# KiCad board emon36.kicad_pcb (continued)
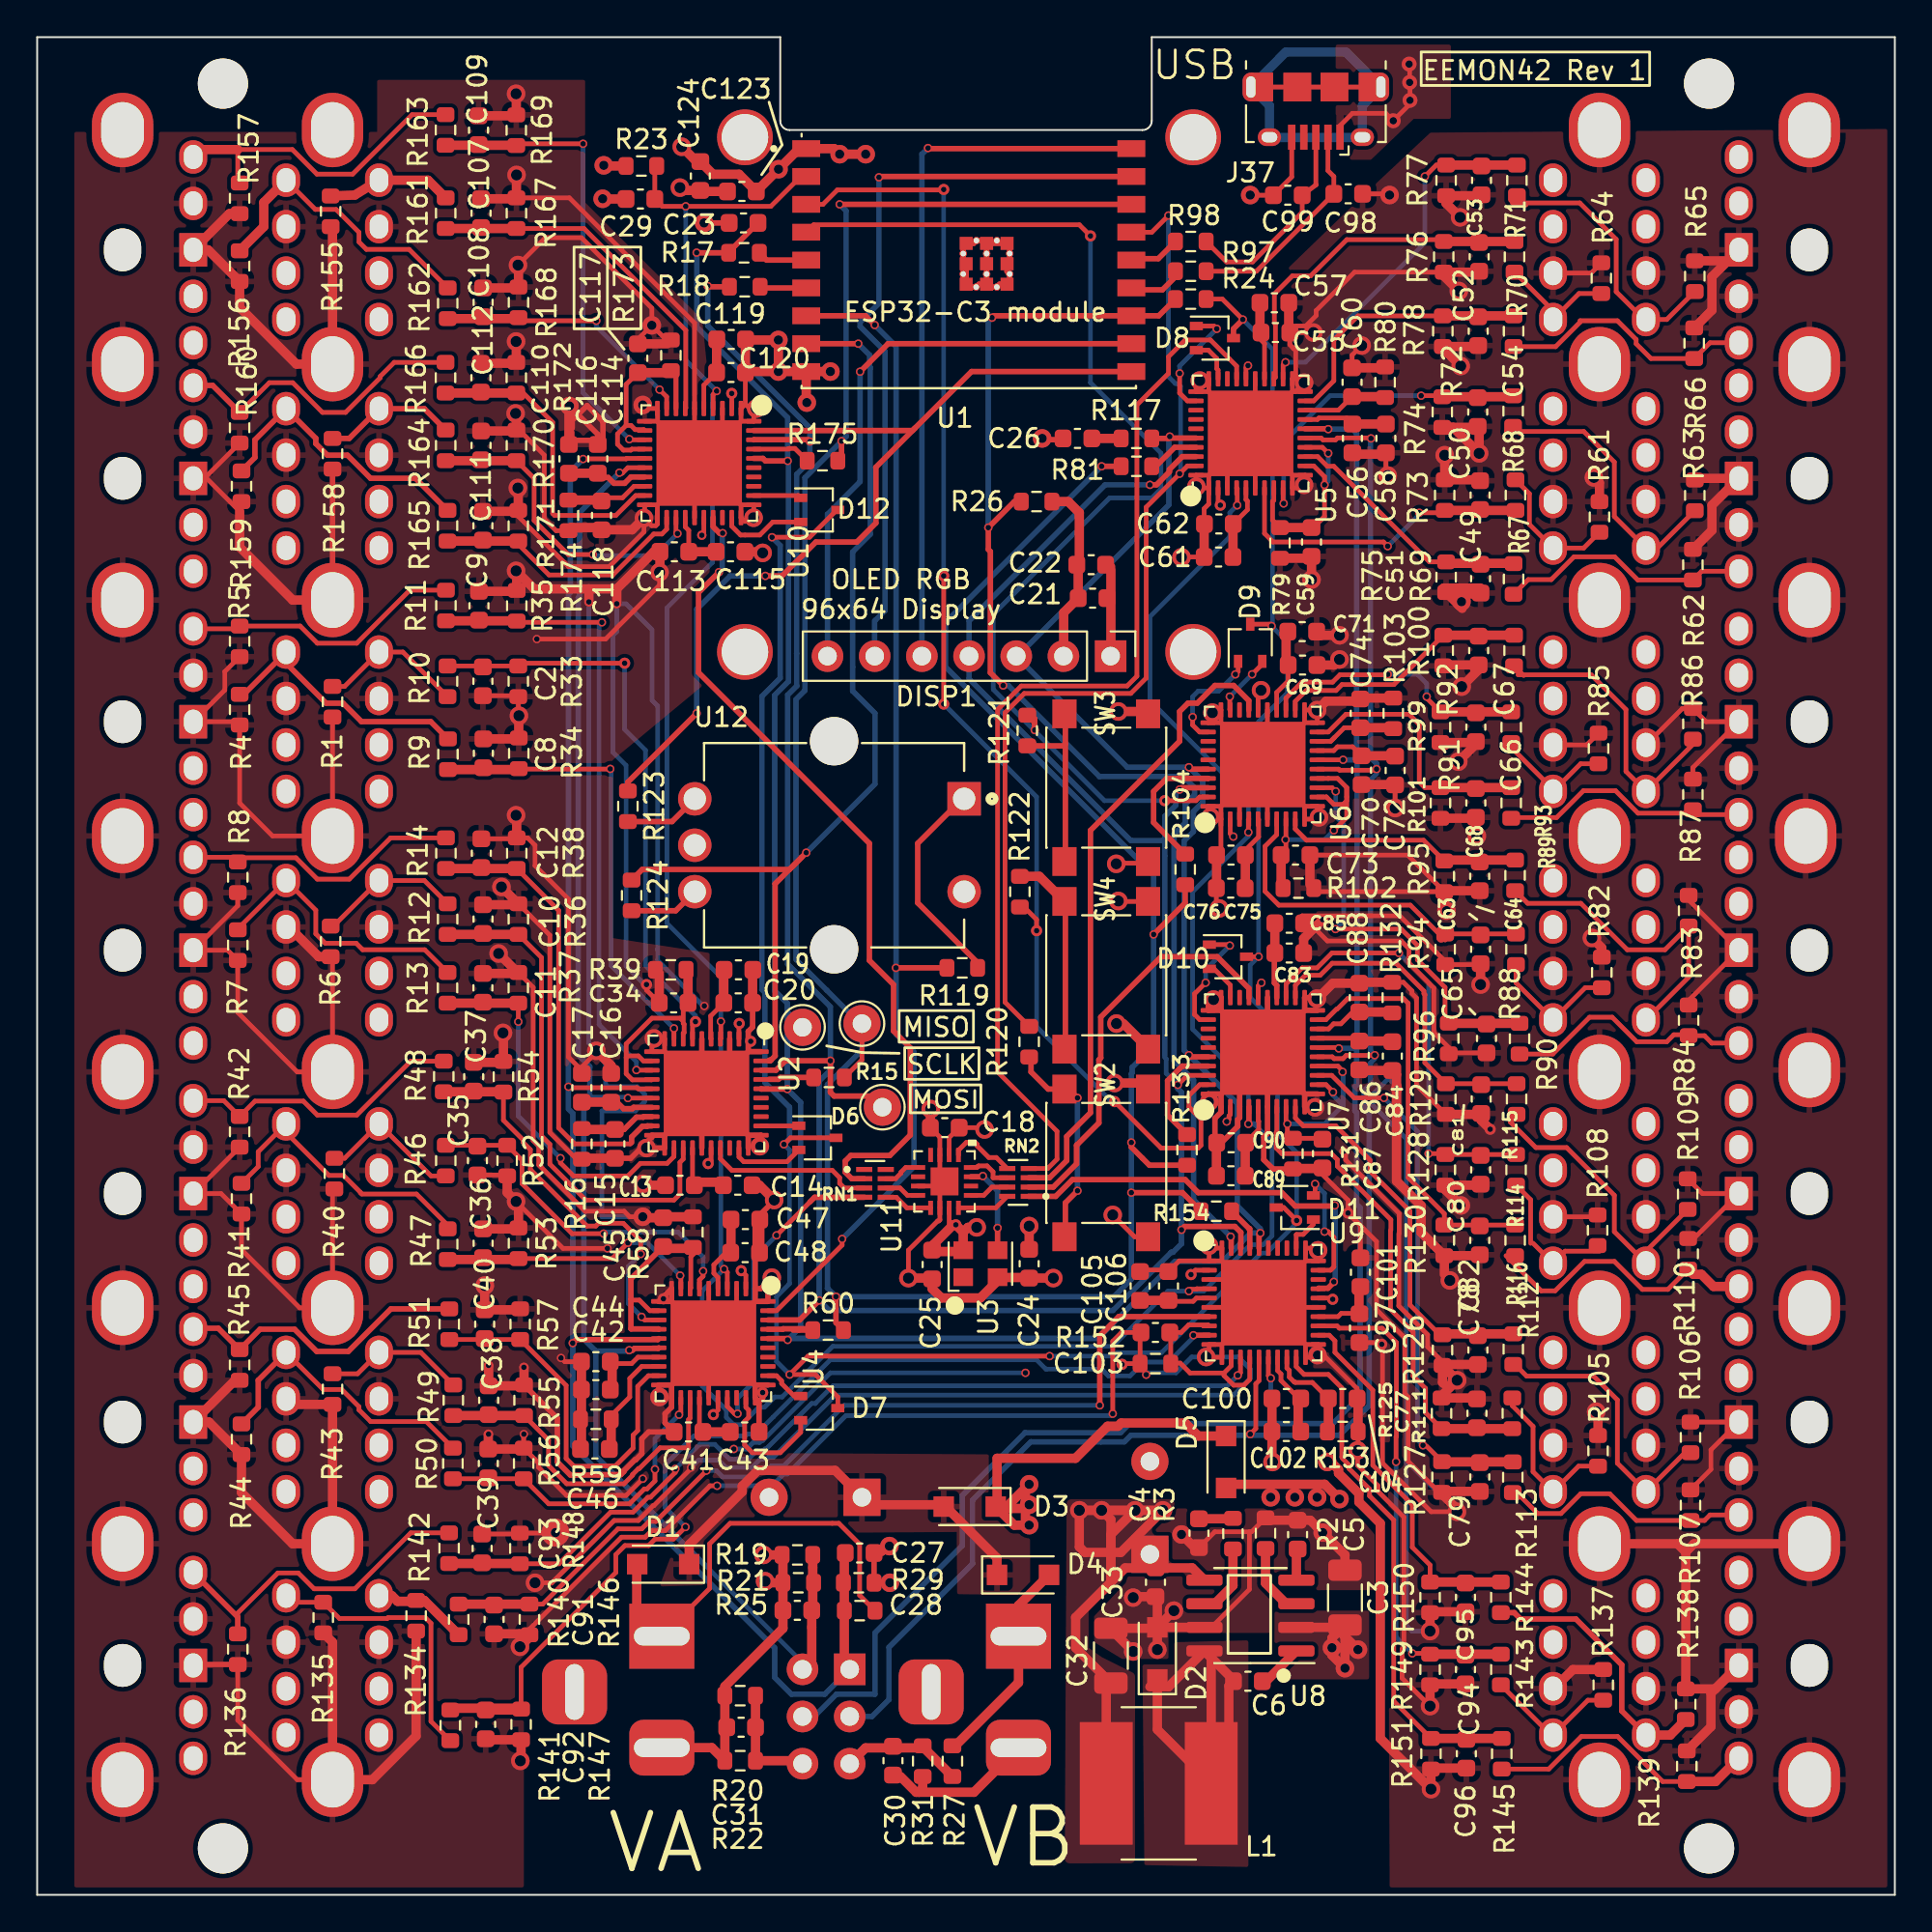
[diagram p0: board, top side]
## Nets (continued)
/CH1/IRQ0: D6.2 U2.29
/CH1/IRQ1: D6.1 U2.32
/CH1/MISO_R: R15.1 U2.37
/CH1/REF: C16.1 C17.1 U2.17
/CH2/IA_P: C35.1 R46.2 R52.1 U4.7
/CH2/IA_P_R: J6.35B R40.1 R46.1
/CH2/IABC_R: C45.1 R58.2 U4.8 U4.12 U4.14
/CH2/IB_P: C36.1 R47.2 R53.1 U4.9
/CH2/IB_P_R: J6.25B R41.1 R47.1
/CH2/IC_P: C37.1 R48.2 R54.1 U4.13
/CH2/IC_P_R: J6.5B R42.1 R48.1
/CH2/ID_P: C38.1 R49.2 R55.1 U4.23
/CH2/ID_P_R: J5.35A R43.1 R49.1
/CH2/IDEF_R: C46.1 R59.2 U4.18
/CH2/IE_P: C39.1 R50.2 R56.1 U4.22
/CH2/IE_P_R: J5.25A R44.1 R50.1
/CH2/IF_P: C40.1 R51.2 R57.1 U4.19
/CH2/IF_P_R: J5.5A R45.1 R51.1
/CH2/IRQ0: D7.2 U4.29
/CH2/IRQ1: D7.1 U4.32
/CH2/MISO_R: R60.1 U4.37
/CH2/REF: C42.1 C44.1 U4.17
/CH3/IA_P: C49.1 R67.2 R73.1 U5.7
/CH3/IA_P_R: J8.35B R61.1 R67.1
/CH3/IABC_R: C59.1 R79.2 U5.8 U5.12 U5.14
/CH3/IB_P: C50.1 R68.2 R74.1 U5.9
/CH3/IB_P_R: J8.25B R62.1 R68.1
/CH3/IC_P: C51.1 R69.2 R75.1 U5.13
/CH3/IC_P_R: J8.5B R63.1 R69.1
/CH3/ID_P: C52.1 R70.2 R76.1 U5.23
/CH3/ID_P_R: J7.35A R64.1 R70.1
/CH3/IDEF_R: C60.1 R80.2 U5.18
/CH3/IE_P: C53.1 R71.2 R77.1 U5.22
/CH3/IE_P_R: J7.25A R65.1 R71.1
/CH3/IF_P: C54.1 R72.2 R78.1 U5.19
/CH3/IF_P_R: J7.5A R66.1 R72.1
/CH3/IRQ0: D8.2 U5.29
/CH3/IRQ1: D8.1 U5.32
/CH3/MISO_R: R81.1 U5.37
/CH3/REF: C56.1 C58.1 U5.17
/CH4/IA_P: C63.1 R88.2 R94.1 U6.7
/CH4/IA_P_R: J10.35B R82.1 R88.1
/CH4/IABC_R: C73.1 R102.2 U6.8 U6.12 U6.14
/CH4/IB_P: C64.1 R89.2 R95.1 U6.9
/CH4/IB_P_R: J10.25B R83.1 R89.1
/CH4/IC_P: C65.1 R90.2 R96.1 U6.13
/CH4/IC_P_R: J10.5B R84.1 R90.1
/CH4/ID_P: C66.1 R91.2 R99.1 U6.23
/CH4/ID_P_R: J9.35A R85.1 R91.1
/CH4/IDEF_R: C74.1 R103.2 U6.18
/CH4/IE_P: C67.1 R92.2 R100.1 U6.22
/CH4/IE_P_R: J9.25A R86.1 R92.1
/CH4/IF_P: C68.1 R93.2 R101.1 U6.19
/CH4/IF_P_R: J9.5A R87.1 R93.1
/CH4/IRQ0: D9.2 U6.29
/CH4/IRQ1: D9.1 U6.32
/CH4/MISO_R: R104.1 U6.37
/CH4/REF: C70.1 C72.1 U6.17
/CH5/IA_P: C77.1 R111.2 R125.1 U7.7
/CH5/IA_P_R: J12.35B R105.1 R111.1
/CH5/IABC_R: C87.1 R131.2 U7.8 U7.12 U7.14
/CH5/IB_P: C78.1 R112.2 R126.1 U7.9
/CH5/IB_P_R: J12.25B R106.1 R112.1
/CH5/IC_P: C79.1 R113.2 R127.1 U7.13
/CH5/IC_P_R: J12.5B R107.1 R113.1
/CH5/ID_P: C80.1 R114.2 R128.1 U7.23
/CH5/ID_P_R: J11.35A R108.1 R114.1
/CH5/IDEF_R: C88.1 R132.2 U7.18
/CH5/IE_P: C81.1 R115.2 R129.1 U7.22
/CH5/IE_P_R: J11.25A R109.1 R115.1
/CH5/IF_P: C82.1 R116.2 R130.1 U7.19
/CH5/IF_P_R: J11.5A R110.1 R116.1
/CH5/IRQ0: D10.2 U7.29
/CH5/IRQ1: D10.1 U7.32
/CH5/MISO_R: R133.1 U7.37
/CH5/REF: C84.1 C86.1 U7.17
/CH6/IA_P: C91.1 R140.2 R146.1 U9.7
/CH6/IA_P_R: J14.35B R134.1 R140.1
/CH6/IABC_R: C103.1 R152.2 U9.8 U9.12 U9.14
/CH6/IB_P: C92.1 R141.2 R147.1 U9.9
/CH6/IB_P_R: J14.25B R135.1 R141.1
/CH6/IC_P: C93.1 R142.2 R148.1 U9.13
/CH6/IC_P_R: J14.5B R136.1 R142.1
/CH6/ID_P: C94.1 R143.2 R149.1 U9.23
/CH6/ID_P_R: J13.35A R137.1 R143.1
/CH6/IDEF_R: C104.1 R153.2 U9.18
/CH6/IE_P: C95.1 R144.2 R150.1 U9.22
/CH6/IE_P_R: J13.25A R138.1 R144.1
/CH6/IF_P: C96.1 R145.2 R151.1 U9.19
/CH6/IF_P_R: J13.5A R139.1 R145.1
/CH6/IRQ0: D11.2 U9.29
/CH6/IRQ1: D11.1 U9.32
/CH6/MISO_R: R154.1 U9.37
/CH6/REF: C100.1 C102.1 U9.17
/CLK0: RN1.2 U10.27
/CLK0_R: RN1.7 U11.5
/CLK1: RN1.3 U2.27
/CLK1_R: RN1.6 U11.8
/CLK2: RN1.4 U4.27
/CLK2_R: RN1.5 U11.9
/CLK3: RN2.4 U5.27
/CLK3_R: RN2.5 U11.1
/CLK4: RN2.3 U6.27
/CLK4_R: RN2.6 U11.16
/CLK5: RN2.2 U7.27
/CLK5_R: RN2.7 U11.13
/CLK6: RN2.1 U9.27
/CLK6_R: RN2.8 U11.12
/IRQ: D6.3 D7.3 D8.3 D9.3 D10.3 D11.3 D12.3 R24.2
/OLED_C/~{D}: DISP1.6 U1.17
/OLED_RES: DISP1.5 U1.18
/RESET: C29.1 R23.2 U1.2 U2.4 U4.4 U5.4 U6.4 U7.4 U9.4 U10.4
/SPI_CS0: R123.1 U1.10 U10.39
/SPI_CS1: R124.1 U1.8 U2.39
/SPI_CS2: R119.1 U1.7 U4.39
/SPI_CS3: R120.1 U1.15 U5.39
/SPI_CS4: R121.1 U1.4 U6.39
/SPI_CS5: R122.1 U1.3 U7.39
/SPI_CS6: R24.1 R26.1 U1.12 U9.39
/SPI_CS7: DISP1.7 U1.11
/SPI_MISO: R15.2 R60.2 R81.2 R104.2 R133.2 R154.2 R175.2 TP3.1 U1.16
/SPI_MOSI: DISP1.4 R18.2 TP2.1 U2.38 U4.38 U5.38 U6.38 U7.38 U9.38 U10.38
/SPI_SCLK: C23.1 DISP1.3 R17.2 R117.1 TP1.1 U2.36 U4.36 U5.36 U6.36 U7.36 U9.36 U10.36
/SW_BOOT: C6.1 U8.1
/SW_COMP: R3.1 U8.6
/SW_EN: R2.1 U8.3
/SW_PH: C6.2 D2.1 L1.1 U8.8
/SW_SS: C5.1 U8.4
/USB_D+: C99.1 J37.3 R98.1
/USB_D-: C98.1 J37.2 R97.1
/VA+: C27.1 J17.1 R25.2 R29.1 U2.15 U4.15 U10.15
/VA-: C28.1 J17.2 R19.2 R21.1 U2.16 U4.16 U10.16
/VB+: J17.3 U5.15 U6.15 U7.15 U9.15
/VB-: J17.4 U5.16 U6.16 U7.16 U9.16
/VBI+: C30.1 J17.5 R27.2 R31.1
/VBI-: C31.1 J17.6 R20.2 R22.1
/Vrect: C1.1 D1.1 D3.2 D4.1
Net-(C4-Pad1): C4.1 R3.2
Net-(C26-Pad1): C26.1 R117.2
Net-(D1-Pad2): D1.2 J1.1 R25.1
Net-(D4-Pad2): D4.2 J4.1 R27.1
Net-(R17-Pad1): R17.1 U1.5
Net-(R18-Pad1): R18.1 U1.6
Net-(R97-Pad2): R97.2 U1.13
Net-(R98-Pad2): R98.2 U1.14
Net-(R119-Pad2): R119.2 U12.1
Net-(R120-Pad2): R120.2 SW2.1 SW2.2
Net-(R121-Pad2): R121.2 SW3.1 SW3.2
Net-(R122-Pad2): R122.2 SW4.1 SW4.2
Net-(R123-Pad2): R123.2 U12.A
Net-(R124-Pad2): R124.2 U12.B
Net-(U11-Pad15): U3.3 U11.15

Pads without a net: J1 3; J2 2A 3A 22A 23A 32A 33A; J3 2B 3B 22B 23B 32B 33B; J4 3; J5 2A 3A 22A 23A 32A 33A; J6 2B 3B 22B 23B 32B 33B; J7 2A 3A 22A 23A 32A 33A; J8 2B 3B 22B 23B 32B 33B; J9 2A 3A 22A 23A 32A 33A; J10 2B 3B 22B 23B 32B 33B; J11 2A 3A 22A 23A 32A 33A; J12 2B 3B 22B 23B 32B 33B; J13 2A 3A 22A 23A 32A 33A; J14 2B 3B 22B 23B 32B 33B; J15 2A 3A 22A 23A 32A 33A; J16 2B 3B 22B 23B 32B 33B; J37 4 6; RN1 1 8; U2 28 33 34 35; U3 1; U4 28 33 34 35; U5 28 33 34 35; U6 28 33 34 35; U7 28 33 34 35; U9 28 33 34 35; U10 28 33 34 35; U11 4 6 14

## Via types
v1: diameter 1, hole 0.6, Top Layer to Bottom Layer, 97 vias
v2: diameter 1, hole 0.5, Top Layer to Bottom Layer, 38 vias
v3: diameter 0.45, hole 0.3, Top Layer to Bottom Layer, 160 vias
v4: diameter 1.5, hole 0.5, Top Layer to Bottom Layer, 1 via
v5: diameter 0.6, hole 0.3, Top Layer to Bottom Layer, 29 vias
v6: diameter 0.5, hole 0.3, Top Layer to Bottom Layer, 1 via
v7: diameter 0.8, hole 0.4, Top Layer to Bottom Layer, 4 vias

## Routing (per net, layer and track width the routed paths; a pad name or vN(x,y) marks a point on that pad's centre or on a via; arc(x,y) is an arc through that point)
3V3: length 89.9
  Top Layer w0.25: U4.26 36.65,26.1 v5(36.4,25.85) ; U6.26 65.72,64.68 v1(65.88,64.84) ; U5.2 63.57,74.93 v5(63.69,74.81) ; U4.2 38.15,33.35 v5(37.9,33.6) ; v3(65.9,49.1) 65.73,48.93 U7.26 ; U5.26 65.07,82.21 v3(65.18,82.32) ; U2.2 37.78,46.89 v5(37.79,46.91) ; U10.26 35.89,73.3 v6(35.78,73.19) ; v5(62.11,33.39) 62.35,33.63 U9.2 ; v3(64.03,41.63) 64.16,41.75 64.16,41.93 64.23,42 U7.2 ; v5(36.12,39.37) 36.28,39.52 U2.26 ; U11.2 49.09,40.76 C18.1 50.9,41.3 v1(51,41.2) ; U9.26 69.67,32.13 v5(69.74,32.06) ; v3(64.39,56.97) 64.22,57.13 U6.2 ; v5(37.39,80.82) 37.39,80.82 U10.2 ; U11.11 49.09,36.06
  Top Layer w0.5: 57.8,16.83 57.8,20.2 v1(57.3,20.7) ; 57.8,16.83 55.9,14.93 55.9,13.3 C32.1 ; 57.8,16.83 58.57,17.6 C33.2 62.18,17.6 U8.5 ; 57.8,16.83 57.8,19.4 v1(59.1,20.7) ; v1(59.1,20.7) v1(60.6,20.7) ; v1(59.1,20.7) v1(57.3,20.7) ; v1(60.6,20.7) v1(56.1,20.7) ; v1(60.6,20.7) 58.33,18.43 56.4,18.43 56.1,18.73 v1(56.1,20.7) ; v1(57.3,20.7) v1(56.1,20.7) ; v1(50.58,35.93) 50.11,35.93 49.85,35.67 ; 35.5,93.3 v1(34.7,94.1) ; R23.1 30.53,93.07 v2(30.5,93.1) ; 49.85,35.67 v5(49.45,36.07) 49.31,36.07 48.25,35.01 48.25,34.63 49.78,34.63 U3.4 49.85,35.67 ; v2(44.6,93.7) v2(43.2,93.7) 42.9,94 U1.1 41.02,94 v2(39.91,92.89) C123.1 37.78,92.62 36.38,92.62 C124.1 ; C24.1 v1(53.4,36) ; R26.2 55.5,75 56.1,74.4 56.1,71.74 C22.1 ; L1.2 57.55,11.15 ; 55.26,66.68 55.26,69.02 C21.1 56.04,71.53
/CH0/AVDD: length 3.4
  Top Layer w0.25: U10.24 34.89,73.64 35.08,73.45 C113.1
  Top Layer w0.5: C115.1 C113.1
/CH0/DVDD: length 4
  Top Layer w0.25: C120.1 35.89,81.26 U10.5
  Top Layer w0.5: C120.1 36.57,83.72
/CH1/AVDD: length 3.1
  Top Layer w0.25: U2.24 35.28,38.55
  Top Layer w0.5: 35.47,38.36 36.94,38.36
/CH1/DVDD: length 4
  Top Layer w0.25: U2.5 36.26,46.1 36.26,47.31 C20.1
  Top Layer w0.5: C20.1 36.96,49.78
/CH2/AVDD: length 3.3
  Top Layer w0.25: 35.91,24.99 35.65,25.25 U4.24
  Top Layer w0.5: C41.1 C43.1
/CH2/DVDD: length 4.1
  Top Layer w0.25: 37.08,34.57 36.43,33.91 36.43,33.46 36.65,33.23 U4.5
  Top Layer w0.5: C47.1 37.35,34.58
/CH3/AVDD: length 3.8
  Top Layer w0.25: U5.24 66.07,83.51 65.88,83.7
  Top Layer w0.5: C57.1 65.83,84.16 C55.1
/CH3/DVDD: length 4.1
  Top Layer w0.25: U5.5 65.07,75.11 65.15,75.03 65.15,74.56 C62.1
  Top Layer w0.5: C62.1 64.37,73.78 C61.1
/CH4/AVDD: length 4.4
  Top Layer w0.25: U6.24 66.72,64.72 67.34,65.34 C69.1
  Top Layer w0.5: C69.1 67.23,66.31 67.23,67.9
/CH4/DVDD: length 4
  Top Layer w0.25: C76.1 65.04,56.24 65.75,56.95 65.75,57.88 U6.5 ; 65.04,54.21 C75.1
  Top Layer w0.5: C76.1 65.04,54.21
/CH5/AVDD: length 4.1
  Top Layer w0.293: U7.24 66.73,48.96 66.6,49.09 66.6,50.7
  Top Layer w0.5: C85.1 C83.1
/CH5/DVDD: length 4
  Top Layer w0.25: C90.1 65.76,41.2 65.76,41.64 65.73,41.67 U7.5
  Top Layer w0.5: C89.1 65.03,40.47
/CH6/AVDD: length 3.1
  Top Layer w0.25: U9.24 70.03,31.13 70.2,31.3 71.16,31.3 C97.1
  Top Layer w0.5: 71.16,31.67 71.16,32.43
/CH6/DVDD: length 4
  Top Layer w0.25: U9.5 62.4,32.13 62.23,31.95 60.95,31.95 C106.1
  Top Layer w0.5: C105.1 61.14,32
/Vin: length 35.2
  Top Layer w0.5: D5.1 62.5,24.7 61.8,25.4 58.35,25.4 58.18,25.23 57.62,25.23 55.9,23.5 51.67,23.5 51.67,20.98 D3.1 ; 53.2,20.8 v2(53.4,21) 53.2,21.2 53.2,21.9 v2(53.4,22.1) 52.2,20.9 D3.1 ; 53.2,20.8 51.7,20.8 D3.1 ; 53.2,20.8 53.2,20.1 v2(53.4,19.9) 52.6,19.9 D3.1 ; v2(69.7,13.3) 71,13.3 v2(71.1,13.2) 69.9,14.4 U8.2 ; v2(69.7,13.3) 69.7,13.83 C3.1 v2(70.4,12.2) 69.7,12.9 v2(69.7,13.3)
GND: length 1401.3
  Top Layer w0.25: C65.2 76.04,45.33 R96.2 75.99,45.61 75.19,46.41 75.19,48.81 73.85,50.15 73.85,50.93 73.43,51.35 69.45,51.35 68.1,52.7 73.35,52.7 75.8,50.25 R94.2 77.65,50.08 ; C75.2 63.47,53.25 v1(63.62,53.1) ; 68.91,54 R95.2 73.78,55.97 C73.2 ; 63.78,34.13 U9.40 63.21,34.81 v1(63.08,34.95) 63.09,34.94 U9.1 ; 63.78,34.13 U9.1 ; 63.78,34.13 U9.41 ; 63.72,58.6 U6.41 ; 63.72,58.6 U6.1 ; 63.72,58.6 U6.40 63.04,58.15 v1(63.16,58.02) 63.28,57.91 U6.1 ; U6.41 66.22,61.1 U6.25 ; U6.41 68.22,58.6 ; U6.41 68.22,63.1 ; U6.41 63.72,63.1 ; v2(32.6,80.2) 32.79,80.01 U10.10 ; 73.32,35.6 73.32,36.68 70.44,39.56 70.44,39.91 v3(70.32,40.02) ; R160.2 9,76.25 ; 38.1,73.93 U10.30 37.89,74.82 ; 65.26,19.54 63.39,19.54 C4.2 ; 65.26,19.54 65.37,19.54 R2.2 ; 65.26,19.54 65.26,16.45 63.21,14.4 ; R64.2 83.65,87.3 J7.34A ; J37.5 67.53,92.48 C99.2 65.31,91.49 v2(65.3,91.5) ; 37.89,74.82 U10.31 38.58,74.14 v1(38.57,74.13) ; 37.89,74.82 U10.41 ; 33.39,79.91 33.4,79.9 33.4,79.31 U10.41 ; U9.25 66.28,31.63 ; U4.6 36.15,29.94 ; v5(70.57,36.7) 70.57,37.4 69.19,38.77 ; v5(70.57,36.7) 72.1,35.17 72.1,31.51 73.62,29.99 73.62,26.98 73.8,26.8 73.8,23.34 75.44,21.71 ; v5(70.57,36.7) 71.23,36.03 71.23,34.29 ; R107.2 90.1,22.9 90.1,23.95 J12.1B R106.2 ; R42.2 J6.1B 9.9,37.75 R41.2 11,34.73 14.13,31.6 H18.1 15.9,37.9 ; R146.2 26.5,14.3 31.45,19.25 32.73,19.25 33.08,19.6 33.8,19.6 36.22,22.02 v3(36.6,22.02) ; 67.64,83.24 67.57,83.31 ; 67.64,83.24 67.43,83.45 C55.2 ; 67.64,83.24 67.75,83.13 67.75,81.79 U5.21 ; v1(25.78,37.32) 28.31,34.8 v3(30.7,34.8) ; 33.39,74.82 U10.20 32.7,74.15 v1(32.66,74.12) ; 33.39,74.82 U10.41 ; 33.39,74.82 U10.21 33.39,73.79 33.3,73.7 33.08,73.7 v1(32.66,74.12) ; U6.1 63.72,56.21 C76.2 ; R171.2 25.9,74.2 28.6,71.5 30.8,71.5 32.66,73.36 v1(32.66,74.12) ; v1(33.5,71.2) 33.5,70.5 30.6,67.6 v3(26.9,67.6) ; C18.2 48.59,40.79 U11.3 48.59,38.65 ; 63.07,76.42 U5.41 ; 63.07,76.42 U5.1 ; 63.07,76.42 U5.40 62.38,75.82 v1(62.4,75.8) 62.47,75.73 U5.1 ; U5.41 65.57,78.92 U5.25 ; U5.41 67.57,80.92 ; U5.41 65.57,78.42 U5.6 ; U5.41 64.07,77.42 U5.3 ; U5.41 67.57,76.42 ; U5.41 63.07,80.92 ; C120.2 38.12,80.25 ; 38.12,80.25 38.36,80.01 v1(38.71,80.01) 38.58,79.88 U10.40 37.89,79.32 ; 38.12,80.25 U10.1 37.89,79.32 ; R4.2 10.9,58.77 12.67,57 H1.1 R1.2 ; 68.28,34.13 U9.30 68.96,34.69 v1(68.95,34.69) 68.84,34.81 U9.31 68.28,34.13 ; 68.28,34.13 U9.41 ; v2(68.92,29.06) 69.25,29.06 71.05,27.25 C104.2 ; v2(68.92,29.06) 68.8,28.94 U9.20 68.28,29.63 ; v2(68.92,29.06) 68.96,29.1 U9.21 68.28,29.63 ; U5.21 67.99,81.61 v1(68.2,81.4) 67.72,80.92 ; U5.21 67.57,80.92 ; v3(32.6,22.4) 31.7,21.5 28.5,21.5 26.99,23.01 26.99,23.25 R56.2 26.19,24.79 v3(26.2,24.8) ; U10.3 36.89,78.32 ; 32.34,83.74 v2(33.09,84.49) ; v2(33.09,84.49) 33.88,83.7 ; v2(33.09,84.49) 33.09,85.41 29.3,89.2 27.35,89.2 v1(25.88,87.73) ; C72.2 v1(73.1,58.5) ; 72.51,82.2 R80.1 ; 88.9,53.55 J10.1B 88.9,48.15 ; 68.28,29.63 U9.41 ; 68.22,58.6 U6.11 68.91,58.09 v1(69,58) 68.91,57.91 U6.10 68.22,58.6 ; 67.72,80.92 67.57,80.92 ; 67.72,80.92 U5.20 ; U10.41 33.39,79.32 U10.11 ; U10.41 37.89,79.32 ; U6.3 64.72,59.6 ; 29.32,44.57 30.1,45.35 v1(30.1,45.43) ; C98.2 72.73,91.57 v2(72.8,91.5) ; R16.1 29.04,39.6 27.6,41.04 27.6,51.66 R36.2 ; U9.1 61.48,34.13 C106.2 ; C60.2 70.78,82.88 v1(71.3,83.4) ; C97.2 72.29,29.73 v5(72.38,29.64) 72.42,29.59 72.42,23.24 75.04,20.62 v1(76.43,20.62) ; 68.22,63.1 U6.21 68.89,63.78 v1(68.9,63.78) 68.91,63.77 U6.20 68.22,63.1 ; C55.2 v1(68.7,84.1) ; C55.2 67.78,84.45 68.29,84.45 68.85,85.01 68.85,85.29 70.91,87.35 R76.2 ; C44.2 28.4,28.7 v3(28.2,28.9) ; v1(58.2,53.5) 58.23,53.48 59.85,53.48 ; v5(58.4,28.56) 58.44,28.6 R152.1 59.37,30.23 ; R58.1 v2(32.6,36.5) 31.9,36.5 31.6,36.8 29.5,36.8 27,39.3 27,40.3 26.7,40.6 26.7,48.85 R37.2 ; C12.2 25.76,56.85 R38.2 26.4,56.9 26.8,56.5 26.8,55.4 28.6,53.6 28.6,45.1 29.32,44.38 C17.2 ; C103.2 58.37,30.27 57.9,29.8 v3(57.9,25.9) ; 72.6,77.55 72.6,76.5 v1(72.7,76.4) ; R109.2 89.64,37.75 J11.1A 89.18,35.33 ; 33.78,45.39 U2.10 33.22,46.08 v1(33.2,46.1) 33.09,45.99 U2.11 33.78,45.39 ; 33.78,45.39 U2.41 ; U5.1 63.07,74.87 62.82,74.62 62.82,73.9 ; 75.65,28.7 74.85,29.5 74.85,30.15 73.3,31.7 73.3,35.58 ; U9.3 64.78,33.13 ; R148.2 27.87,19.47 v4(27.9,19.5) ; U7.10 68.52,42.13 68.53,42.13 v1(68.78,42.39) ; v1(46.9,33.2) 46.9,34.7 48.48,36.28 48.54,36.28 48.59,36.33 U11.10 48.59,38.15 U11.7 ; 63.07,80.92 U5.30 62.67,81.61 v1(62.58,81.52) 62.38,81.32 U5.31 63.07,80.92 ; v3(35.2,23) 35.2,22.95 33.2,20.95 33.16,20.95 32.36,20.15 31.06,20.15 27.71,16.8 v1(26.8,16.8) ; U9.41 63.78,29.63 ; v5(32.8,49) 32.8,48.7 C34.2 ; 63.72,63.1 U6.31 63.26,63.32 v1(63.26,63.64) 63.41,63.78 U6.30 63.72,63.1 ; R8.2 10.8,53.25 J2.1A 10.25,50.85 R7.2 10.8,47.5 14,44.3 H4.1 15.9,50.4 ; R85.2 83.41,61.9 J9.34A ; R33.2 25.9,63.51 v1(25.93,63.47) ; C2.2 25.85,64.55 ; C35.2 25.25,38.75 R52.2 ; U9.6 65.78,31.63 ; 59.85,35.43 59.08,35.43 v1(57.9,36.6) ; 58.48,46.9 v1(58.1,46.9) ; 67.57,76.42 U5.11 68.26,75.96 v1(68.2,75.9) 68.03,75.73 U5.10 67.57,76.42 ; 63.78,29.63 U9.11 62.94,28.94 v1(62.93,28.95) 63.09,29.12 U9.10 63.78,29.63 ; R132.1 73.54,49.12 74,48.66 74,48.53 74.25,48.28 74.25,43.59 R129.2 ; R5.2 10.1,65.85 10.1,64.85 J3.1B 10.72,63.15 ; H31.1 14,6.2 10.8,9.4 R136.2 ; C61.2 61.62,72.02 v1(61.6,72) ; R153.1 71.1,23.95 v1(71.08,23.92) 71.08,23.12 72.17,22.03 72.17,21.73 73.57,20.33 73.57,13.33 73.47,13.23 73.47,11.67 v1(74.98,10.16) ; U6.6 66.22,60.6 ; J9.24A 88.56,63.86 R86.2 89.84,63.15 J9.1A 89.13,60.68 R87.2 ; R170.2 25.95,78.85 27.3,77.5 27.3,74.07 27.94,73.43 R174.1 ; J15.1A 9.12,76.25 10.9,74.48 ; U4.3 37.65,30.94 ; 83.9,36.5 J11.34A ; U10.25 35.39,76.82 ; 59.85,55.54 58.12,55.54 ; C66.2 77.44,61.94 ; 35.39,77.32 U10.6 35.39,84.61 28.65,91.35 R167.2 ; U4.25 36.15,29.44 ; C93.2 25.93,19.42 ; 60.89,33.64 59.38,33.64
  Top Layer w0.293: 67.46,39.08 66.53,39.08 66.03,39.57 66.03,40.8 66.23,41 66.23,42.42 U7.6 66.23,45.11 ; U2.1 38.28,46.48 38.51,46.71 C20.2 ; U2.1 38.41,45.95 v5(38.41,45.94) ; U2.1 38.28,45.39 ; v2(54.1,78.4) 54.17,78.33 55.16,78.33 ; C23.2 v2(35.9,90) ; H2.1 R158.2 ; 64.73,44.11 U7.3 64.73,41.84 64.63,41.74 64.63,41.37 63.75,40.49 ; 28.78,78.73 28.78,78.31 ; R55.2 28,25.66 28,23.3 28.7,22.6 30.2,22.6 30.22,22.62 31.42,22.62 31.58,22.78 31.58,22.82 32.18,23.42 32.22,23.42 32.55,23.75 32.55,24.55 32.92,24.92 C41.2 33.8,25.41 33.8,25.9 34.15,26.25 U4.21 34.15,27.44 ; U1.24 52.21,87.39 U1.35 52.35,86.84 ; 38.86,26.55 U4.30 38.65,27.44 ; 38.86,26.55 C43.2 ; 38.86,26.55 39.05,26.74 v5(39.05,27.04) ; 38.28,40.89 U2.41 ; 38.28,40.89 U2.31 38.97,40.37 v2(38.9,40.3) ; 38.28,40.89 U2.30 ; U2.41 33.78,40.89 ; U2.41 38.28,45.39 ; 38.65,27.44 U4.31 ; 38.65,27.44 U4.41 ; C114.2 30.18,78.62 v2(28.65,80.14) 28.8,80 28.8,78.94 ; 63.73,43.11 U7.40 63.04,42.76 v2(63.1,42.7) ; 63.73,43.11 U7.41 ; 63.73,43.11 U7.1 63.73,42.13 63.4,41.8 63.4,40.58 C90.2 ; 52.35,87.94 U1.32 52.35,88.76 ; 51.26,86.55 U1.37 51.81,86.7 U1.27 ; 34.15,27.44 U4.20 33.46,26.84 v2(33.5,26.8) ; 34.15,27.44 U4.41 ; U2.6 35.78,43.39 ; C15.2 31.95,39.65 32.55,40.25 ; U2.40 38.28,45.39 ; 10.8,85.56 13.96,82.4 H13.1 ; 33.78,40.89 U2.21 32.8,40.2 v1(32.8,40.2) 32.6,40.2 32.55,40.25 ; 33.78,40.89 U2.20 33.09,40.79 32.55,40.25 ; 68.23,43.11 U7.11 ; 68.23,43.11 U7.10 ; 68.23,43.11 U7.41 ; U7.25 66.23,45.61 ; 63.73,47.61 U7.30 63.43,48.3 v1(63.32,48.19) 63.04,47.91 U7.31 63.73,47.61 ; 63.73,47.61 U7.41 ; 50.96,89.05 U1.28 50.41,88.9 U1.19 ; 38.65,31.94 U4.40 39.34,33.01 v1(39.55,33.22) 38.96,32.63 U4.1 ; 38.65,31.94 U4.1 ; 38.65,31.94 U4.41 ; 34.15,31.94 U4.10 33.71,32.2 v5(33.71,32.09) 33.6,32.09 U4.11 34.15,31.94 ; 34.15,31.94 U4.41 ; U4.1 38.65,36.1 ; v1(68.89,48.25) 68.84,48.3 U7.21 68.23,47.61 ; U7.41 68.23,47.61 ; 41.4,80.36 v2(41.43,80.33) ; 68.23,47.61 U7.20 ; U2.3 37.28,44.39 ; 10.9,12.4 8.45,12.4 ; 49.85,87.96 U1.30 49.85,88.74 ; 26,14.1 25.95,14.05 ; 50.16,86.55 U1.36 50.7,86.7 U1.26 U1.34 U1.23 U1.31 U1.20 U1.21 ; 38.9,36.6 39.68,37.38 v1(39.68,37.4) ; v2(45.88,18.77) 45.5,18.4 C27.2 R29.2 v2(45.9,16.8) ; 49.85,86.86 U1.33 49.85,87.64 ; 38.9,37.95 38.49,38.36 ; 28.8,79.37 29.6,80.17 30.48,79.29 30.46,79.27 30.46,78.3 28.79,78.3 ; U2.25 35.78,42.89 ; U1.22 U1.25
  Top Layer w0.5: 88.74,18.46 88.3,18.9 H25.1 ; 88.74,18.46 R138.2 90.34,11.09 J13.1A 90.1,10.85 90.1,9.05 R139.2 ; 88.74,18.46 89.19,18.9 H26.1 ; 26.45,14.05 C91.2 ; v1(32.66,74.12) 32.03,73.48 C118.2 ; C3.2 70.4,18.3 v2(69.2,19.5) ; C33.1 59.05,16.05 v1(59,16) ; R103.1 71.27,64.43 ; v1(25.08,46.4) 25.1,46.38 R54.2 25.05,44.81 C37.2 ; C115.2 38.99,72.3 v1(39.05,72.24) ; R53.2 25.91,37.2 v1(25.78,37.32) 25.3,37.81 R52.2 ; R132.1 71.22,49.12 ; C24.2 v1(54.7,33.2) ; 26.16,27.4 C38.2 24.31,28.5 v3(24.3,28.5) ; R45.2 10.65,27.7 J5.1A 9.25,25.45 R44.2 11,21.65 13.75,18.9 H11.1 15.9,26.48 ; C120.2 38.12,83.72 ; 73.17,43.57 v5(73.17,43.37) ; 73.17,43.57 73.17,44.15 C84.2 71.21,44.37 ; 73.17,43.57 73.17,38.43 74.5,37.1 74.5,35.66 R130.2 ; C36.2 25.86,35.85 ; C16.2 30.9,44.63 v1(30.1,45.43) ; R6.2 15.16,50.5 13.56,52.1 ; H2.1 13.75,69.7 10.9,72.55 10.9,74.48 ; R172.2 25.79,83.61 v1(25.78,83.62) ; v1(32.61,38.28) 32.69,38.2 C13.2 ; 25.9,53.35 v1(24.99,54.25) ; C69.2 69.81,66.2 v1(70.11,66.5) ; v2(75.86,52.98) 75.75,53.09 R95.2 ; v1(25.76,79.74) 25.8,79.7 R170.2 ; J4.2 50.43,5.52 47.47,5.52 ; D2.2 60.3,14.41 v1(61.19,15.3) ; D2.2 60.3,15.95 ; D2.2 U8.7 ; D2.2 v1(60.3,13.2) ; C110.2 25.75,78.8 ; v1(25.81,92.58) 25.8,92.58 R167.2 ; 29.7,70.3 v3(29.7,69.6) ; 29.7,70.3 31.2,70.3 ; 29.7,70.3 26.75,70.3 v1(25.78,71.27) 25.81,71.24 R35.2 ; C83.2 68.17,51.48 v5(69.2,52.5) ; 77.62,78.97 v1(77.62,77.6) 76.22,78.99 R74.2 77.5,78.99 ; 66.25,20.17 C5.2 68.53,20.17 v2(69.2,19.5) ; C68.2 77.44,57.06 v1(77.5,57) ; R34.2 25.93,63.47 v1(25.93,63.47) ; C74.2 71.1,64.26 69.38,64.26 v1(68.9,63.78) ; C34.2 33.49,49.59 ; v2(39.9,82) v2(39.9,83.7) 38.16,83.7 C119.2 ; v2(39.9,82) U1.9 ; v2(39.9,82) 38.17,82 ; C47.2 38.9,34.58 ; v1(25.78,58.12) 25.81,58.08 R38.2 ; R146.2 26.5,13.87 v1(25.99,13.36) ; 31.2,70.3 33.2,72.3 C113.2 33.53,71.22 v1(33.5,71.2) ; 31.2,70.3 v3(31.2,69.5) ; U3.2 51.7,33.06 50.78,32.13 48.67,32.13 48.17,32.63 C25.2 48.13,33.2 v1(46.9,33.2) ; R130.2 75.75,33.41 ; R130.2 77.6,34.41 ; 25.95,31.49 C40.2 24.09,32.79 v1(24.1,32.8) ; C4.2 62.31,18.69 v2(61.6,19.4) ; C109.2 25.74,95.77 ; v1(76.68,65.04) 77.6,65.95 C67.2 75.74,66.21 ; C44.2 29.3,24.05 ; C117.2 33.91,83.49 ; v2(28.65,80.14) 28.63,80.12 C116.2 ; R78.2 77.52,83.35 ; R79.1 68.5,71.95 C59.2 v1(68.6,70.8) ; C20.2 38.51,49.78 ; R99.2 77.39,62.03 ; v1(26.01,7.21) 26.05,7.25 R147.2 24.2,8.35 ; C81.2 77.73,41.7 v5(78.22,41.21) ; 77.44,61.94 v1(76.5,61) ; 75.6,26.86 v1(76.44,27.7) 75.6,28.54 ; v1(58.2,63.7) 59.1,63.7 ; C88.2 69.75,49.07 68.92,48.25 v1(68.89,48.25) ; C10.2 25.86,53.3 ; R151.2 75.03,5.69 v1(75.03,5.69) 72.3,8.42 72.3,20 71.15,21.15 71.15,21.6 70.05,22.7 70.05,22.89 69.64,23.3 v1(69.45,23.3) ; C8.2 25.88,62.23 ; v1(34.6,91.9) 34.75,91.75 C124.2 35.76,91.69 C123.2 ; v3(26.2,28.4) 26.21,28.39 R55.2 ; C111.2 25.85,74.48 ; C107.2 25.75,91.3 ; R153.1 71.1,26.67 ; 57.8,66.68 57.8,71.32 ; U1.9 41.4,80.36 ; U1.9 v2(42.7,82) ; v1(75.77,77.5) R73.2 77.62,76.17 ; C63.2 v1(77.7,49) ; v2(76.64,37.11) 75.8,37.95 R128.2 77.66,38.2 ; 67.54,39.1 69.06,39.1 ; 28.68,73.55 28.73,73.6 30.46,73.6 ; v1(39.1,18.3) R19.1 40.15,18.25 C28.2 40.15,14.35 37.02,11.22 R20.1 R22.2 36.32,7.92 J1.2 ; v1(25.78,96.95) 25.79,96.94 R169.2 ; 77.57,87.35 R76.2 75.72,87.15 v1(76.53,86.33) ; C57.2 67.38,84.16 C55.2 ; R82.2 84.23,50.98 v1(83.69,51.51) ; C95.2 75.03,15.24 ; v1(83.8,76.3) 84.1,76 R61.2 ; 60.25,14.35 C32.2 57.8,14.3 v1(59,13.1) ; C29.2 30.45,91.29 v2(30.44,91.3) ; C78.2 75.7,28.55 ; R65.2 91.01,87.96 J7.1A 90.16,87.11 90.16,85.31 R66.2 ; 70.8,77.55 72.6,77.55 ; C9.2 25.76,70.17 ; v2(69.2,19.5) 68.85,19.85 ; C70.2 73.09,59.77 ; 57.79,71.49 57.58,71.7 ; C76.2 63.49,54.21 C75.2 ; R58.1 33.75,36.5 ; R31.2 47.67,5.72 47.47,5.52 ; 89.32,76.25 J8.1B 90.16,74.8 90.16,73.45 R63.2 ; R137.2 82.67,12.13 81.64,11.1 ; 75.67,83.26 v1(76.63,82.3) ; v1(66.5,23.3) 66.47,23.33 C102.2 C100.2 ; R149.2 v1(74.98,10.16) ; R126.2 75.65,27.59 75.73,27.51 ; R150.2 v1(74.98,14.2) ; 46.47,6.37 47.32,5.52 47.47,5.52 ; 59.85,45.53 58.48,46.9 ; R168.2 25.91,87.7 v1(25.88,87.73) ; C14.2 38.88,38.2 v1(39.68,37.4) ; C79.2 75.67,21.72 ; 68.99,67.8 v1(70.11,67.8) ; R157.2 10.35,90.5 J16.1B 9.2,88.55 R156.2 10.9,85.45 13.95,82.4 H13.1 15.9,89.7 ; C73.2 68.51,54.4 ; C18.2 48.08,42.28 v1(48.1,42.3) ; R43.2 13.7,26.4 ; 77.7,91.47 R77.2 75.84,91.06 v1(76.6,90.3) ; R21.2 39.27,16.8 v1(39.18,16.88) ; R125.2 77.45,26.75 ; C11.2 25.85,49.6 ; C94.2 75.03,11.35 ; v1(83.92,26.01) 84.02,25.91 R105.2 ; 75.67,70.03 77.65,70.03 ; R134.2 20.4,8.55 18.05,6.2 H31.1 15.9,13.6 R135.2 ; C108.2 25.86,86.5 ; 75.93,70.03 76.71,69.25 ; SW2.4 59.48,43.7 v1(58,43.7) ; C45.2 32.65,36.45 v2(32.6,36.5) ; 26.14,24 C39.2 24.28,24.78 v3(24.3,24.8) ; R101.2 77.39,57.95 ; R171.2 25.9,75.71 v1(25.88,75.73) ; 75.62,21.58 76.62,20.59 ; C112.2 25.74,82.44 ; C60.2 72.51,82.2 ; 77.7,70.35 75.72,70.35 75.67,70.3 75.99,70.3 v2(76.67,69.61) ; 25.86,49.65 v1(24.84,50.67) ; C96.2 75.08,6.82 ; C61.2 62.82,73.9 ; R129.2 77.68,42.01 ; 51.59,33.21 51.61,33.23 52.94,33.23 ; C64.2 75.8,54.05 ; C89.2 63.48,40.47 ; C15.2 29.37,39.65
  Bottom Layer w0.25: v1(74.98,14.2) 74,14.2 73.7,14.5 73.7,23.35 ; v3(57.9,25.9) 57.8,25.8 43.54,25.8 40.39,22.65 40.19,22.65 39.56,22.02 v3(36.6,22.02) ; 73.7,23.35 v1(76.43,20.62) ; 73.7,23.35 73.7,40.7 71.9,42.5 71.9,43.1 72.7,43.9 72.8,43.9 73.17,43.53 v5(73.17,43.37) ; v3(35.91,47.85) 35.85,47.85 33.4,50.3 33.4,64 33.1,64.3 33.1,68.1 31.7,69.5 v3(31.2,69.5) 31.2,68 31,67.8 31,61.5 31.7,60.8 31.7,50 32.7,49 v5(32.8,49) ; v2(32.6,36.5) 30.4,36.5 30.4,42.2 32.2,42.2 32.7,42.7 32.7,43.1 32.3,43.5 30.7,43.5 30.6,43.6 30.6,44.8 30.1,45.3 v1(30.1,45.43) 29.7,45.83 v3(29.7,69.6) ; v3(37.5,24) 38.19,24 38.54,24.35 38.89,24.35 38.98,24.45 39.05,24.45 42.7,28.1 v3(53.2,28.1) ; v3(35.2,23) 35.6,23.4 36.69,23.4 37.09,23 38.47,23 38.92,23.45 39.26,23.45 39.36,23.55 39.62,23.55 42.97,26.9 64.4,26.9 65.3,27.8 65.3,28.3 64.65,28.95 v1(62.93,28.95) 62.15,28.95 61.3,28.1 59.8,28.1 v3(59.7,28)
  vias: v1(58.09,55.5) v1(76.04,33.07)
